# Altium PCB KlusterLab r2.0.PcbDoc (part 18 of 22) (continued)
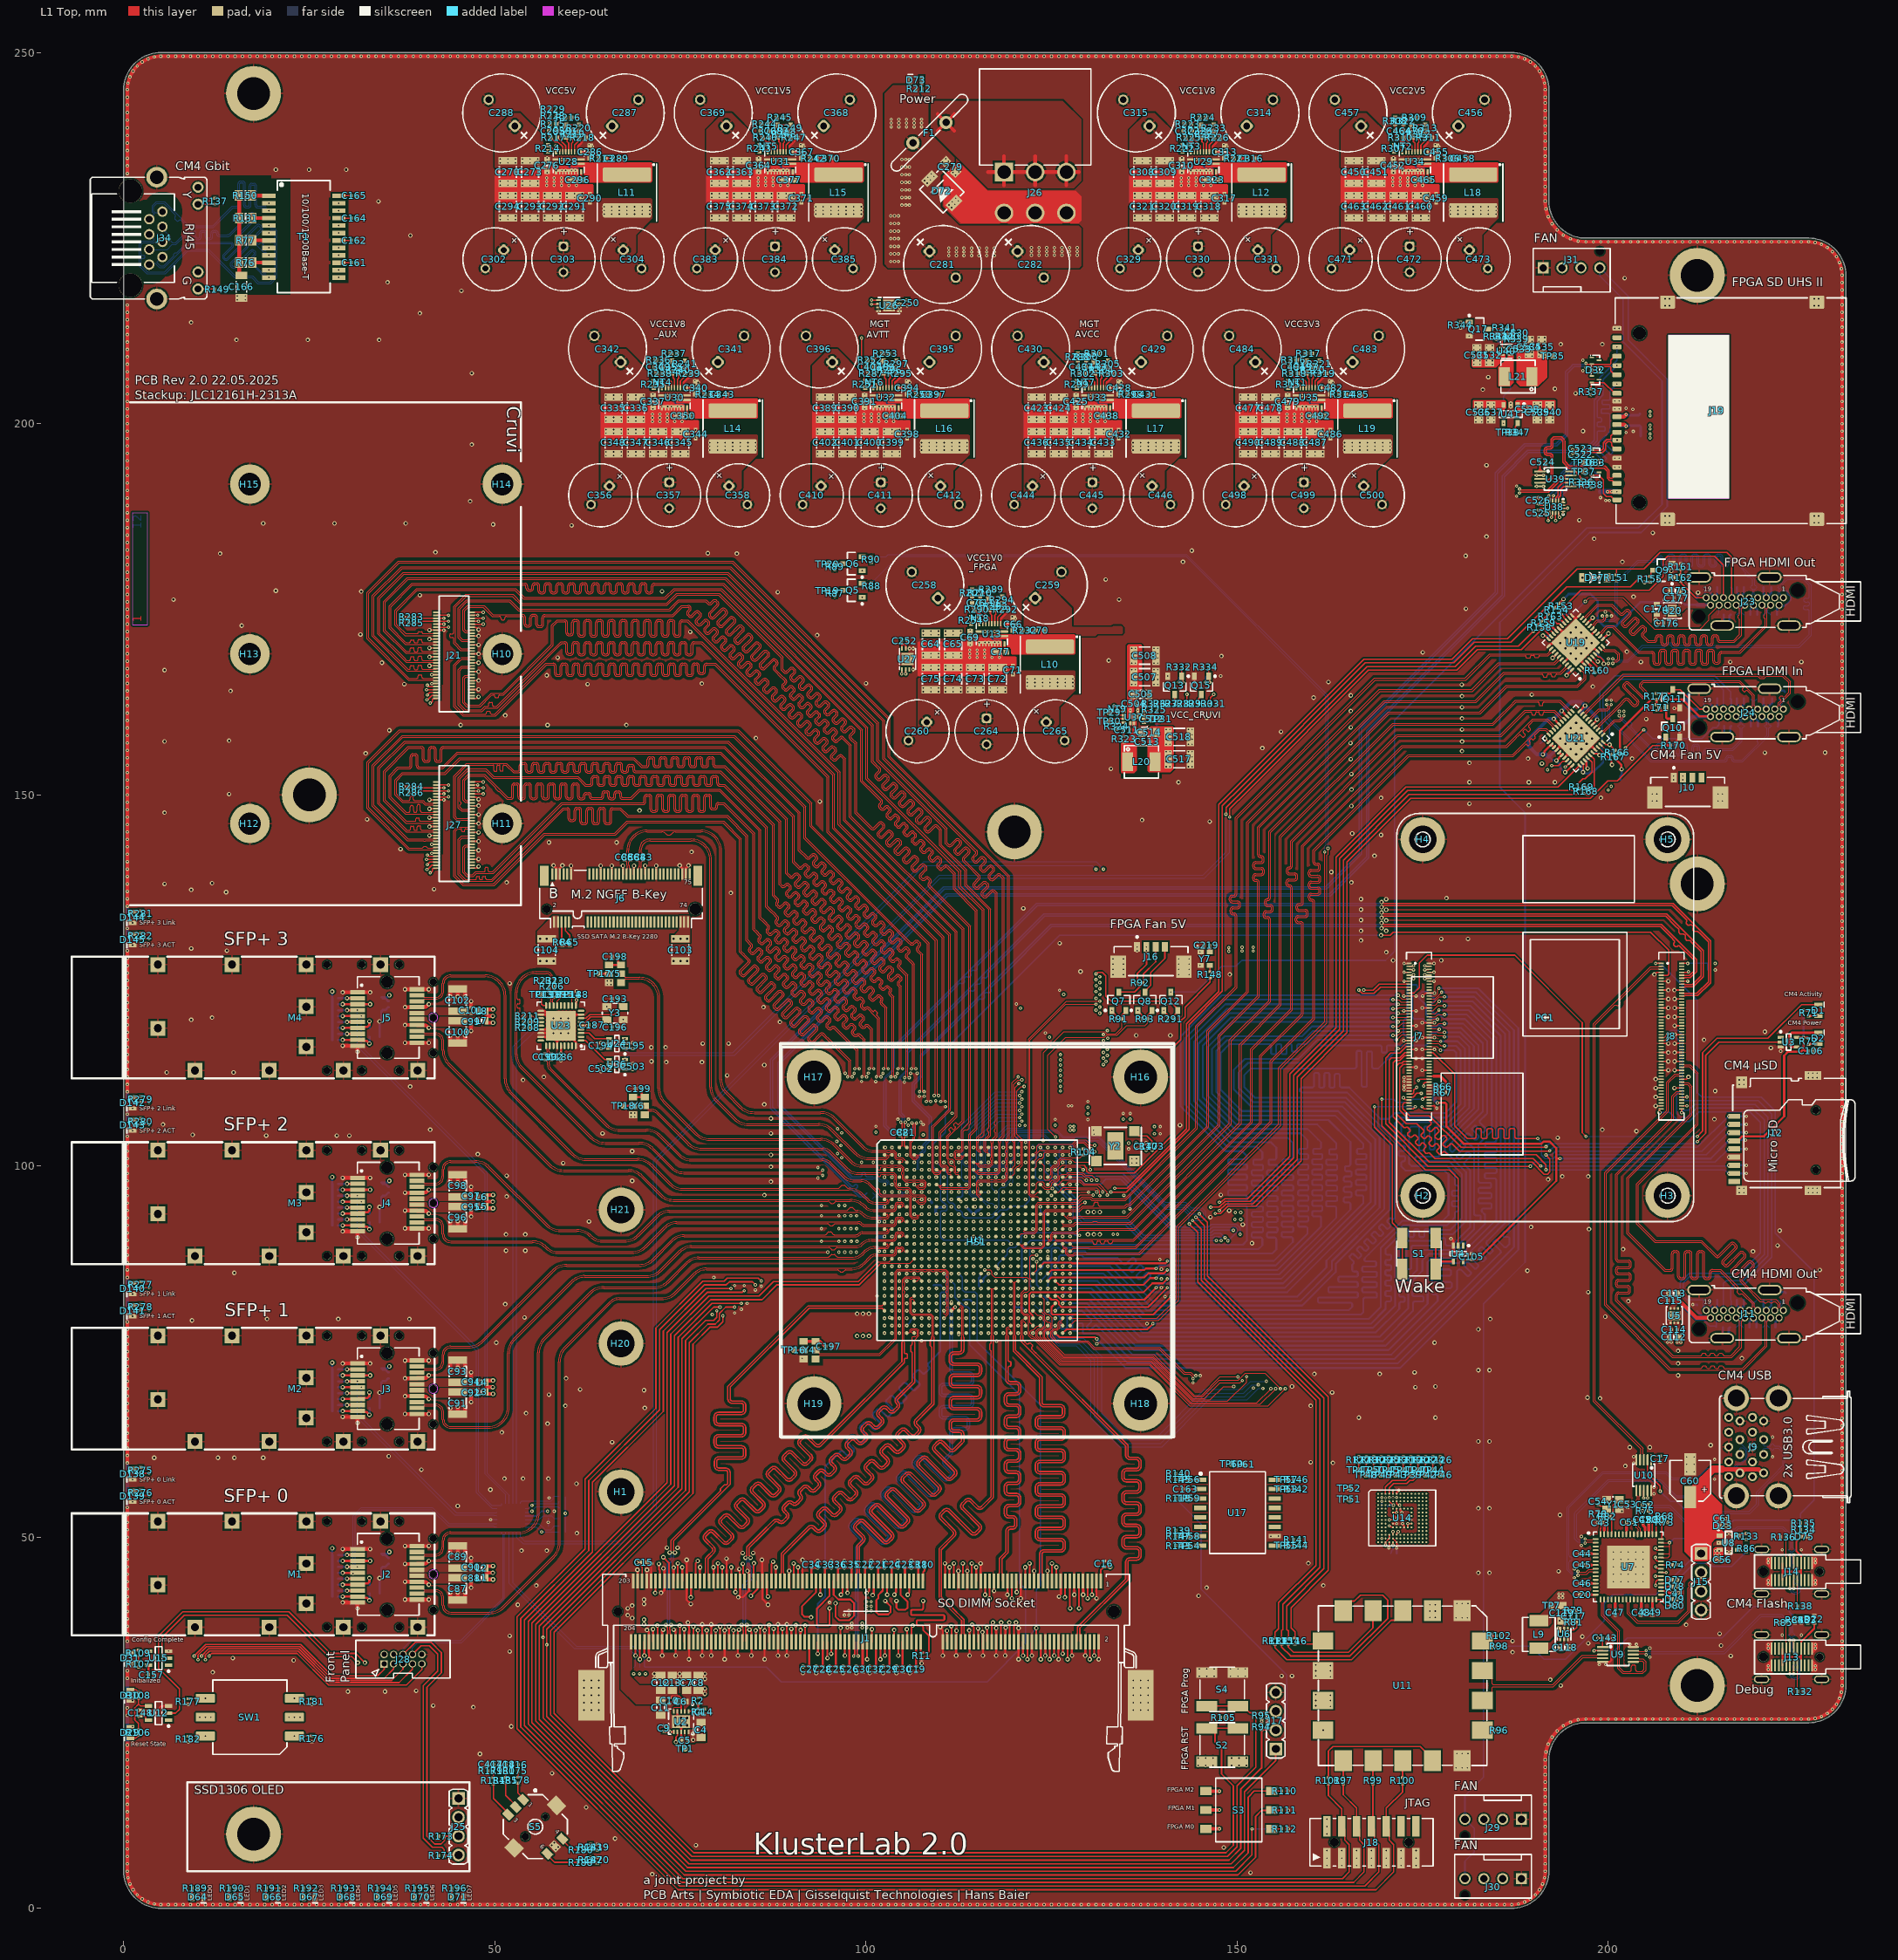
[diagram p0: L1 Top view]
## Nets (pads, with @x,y where several pads share a name; then routed paths per layer and width w, separated by ;. In a path a pad name is that pad's centre, name@x,y a point inside that pad or via, vN(x,y) a via of type N, cw(c..) or ccw(c..) an arc to the next point about the centre after c; other vN are vias at no path point) (continued)
PCIe_REFCLK_N: J8.112 U1.D5 | length 135.9
  L1 Top w0.166: v2(169.446,132.743) 169.556,132.743 169.76,132.54 207.16,132.54 209.979,129.721 211.4,128.3 211.893,127.807 211.893,126.193 211.054,125.354 210.336,125.354 210.299,125.317 209.897,125.317 J8.112@209.88,125.3
  L12 Bottom w0.1: v1(106.5,99.5) 106.567,99.567 106.841,99.567 106.9,99.626 106.9,100.8 106.853,100.847
  L12 Bottom w0.166: 106.853,100.847 106.853,101.247 107.707,102.1 107.707,102.907 108.5,103.7 108.5,106.486 107.993,106.993 106.214,108.771 106.214,111.114 107.307,112.207 107.307,114.921 124.925,132.54 169.131,132.54 169.335,132.743 v2(169.446,132.743)
PCIe_REFCLK_P: J8.110 U1.D6 | length 135.7
  L1 Top w0.166: v2(169.446,132.043) 169.556,132.043 169.76,132.247 207.039,132.247 208.448,130.837 208.942,130.343 208.942,130.125 208.81,129.993 208.81,129.776 209.028,129.558 209.246,129.558 209.378,129.69 209.596,129.69 211.243,128.043 211.6,127.686 211.6,126.314 210.932,125.647 210.336,125.647 210.299,125.683 209.897,125.683 J8.110@209.88,125.7
  L12 Bottom w0.1: 107.146,100.847 107.1,100.8 107.1,99.626 107.159,99.567 107.433,99.567 v1(107.5,99.5)
  L12 Bottom w0.166: 107.146,100.847 107.146,101.125 108,101.979 108,102.786 108.793,103.579 108.793,106.607 108.396,107.004 106.507,108.893 106.507,110.993 107.6,112.086 107.6,114.8 114.8,122 115.294,122.494 115.512,122.494 115.549,122.457 115.767,122.457 115.984,122.675 115.984,122.893 115.929,122.949 115.929,123.167 116.146,123.385 116.364,123.385 116.401,123.348 116.619,123.348 116.837,123.565 116.837,123.783 116.819,123.801 116.819,124.019 118.15,125.35 125.047,132.247 169.131,132.247 169.335,132.043 v2(169.446,132.043)
PCIe_RX0_N: J8.124 U1.B5 | length 153.7
  L1 Top w0.1: U1.B5@106.5,101.5 106.841,101.5 106.9,101.441 106.9,101.334 106.666,101.1 106.4,101.1 106.1,101.4 106.1,103.2 106.6,103.7 106.6,104 106.646,104.047
  L1 Top w0.166: 106.646,104.047 v1@106.646,105.8 ; v2(169.446,135.571) 169.556,135.571 169.76,135.368 208.732,135.368 213.793,130.307 213.793,124.693 212.051,122.951 210.314,122.951 210.28,122.917 209.897,122.917 J8.124@209.88,122.9
  L12 Bottom w0.1: 102.4,111.3 102.444,111.344 102.444,111.904 103.551,113.011 103.551,113.156 103.507,113.2
  L12 Bottom w0.166: 102.4,111.3 102.4,105.386 102.993,104.793 103.379,104.407 105.821,104.407 106.238,104.824 106.265,104.824 106.646,105.205 106.646,105.57 106.8,105.723 v1(106.8,105.8) ; 103.507,113.2 103.507,115.921 122.954,135.368 169.131,135.368 169.335,135.571 v2(169.446,135.571)
PCIe_RX0_P: J8.122 U1.B6 | length 153.7
  L1 Top w0.1: 106.354,104.047 106.4,104 106.4,103.783 105.9,103.283 105.9,101.317 106.317,100.9 106.749,100.9 107.1,101.251 107.1,101.441 107.159,101.5 U1.B6@107.5,101.5
  L1 Top w0.166: 106.354,104.047 v1@106.354,105.8 ; v2(169.446,134.871) 169.556,134.871 169.76,135.075 208.611,135.075 210.043,133.643 210.537,133.149 210.537,132.931 210.499,132.893 210.499,132.675 210.717,132.457 210.935,132.457 210.992,132.514 211.21,132.514 211.427,132.296 211.427,132.079 211.37,132.022 211.37,131.804 211.588,131.586 211.806,131.586 211.844,131.624 212.062,131.624 212.393,131.293 213.5,130.186 213.5,124.814 211.93,123.244 210.338,123.244 210.299,123.283 209.897,123.283 J8.122@209.88,123.3
  L12 Bottom w0.1: 102.693,111.3 102.644,111.349 102.644,111.822 103.751,112.929 103.751,113.151 103.8,113.2
  L12 Bottom w0.166: 102.693,111.3 102.693,105.507 103.396,104.804 103.5,104.7 105.7,104.7 106.117,105.117 106.144,105.117 106.353,105.326 106.353,105.57 106.2,105.723 v1(106.2,105.8) ; 103.8,113.2 103.8,115.8 112.1,124.1 112.594,124.594 112.812,124.594 112.82,124.586 113.038,124.586 113.256,124.804 113.256,125.022 113.229,125.049 113.229,125.267 113.446,125.485 113.664,125.485 113.691,125.457 113.909,125.457 114.127,125.675 114.127,125.893 114.1,125.92 114.1,126.138 114.317,126.356 114.535,126.356 114.563,126.328 114.78,126.328 114.998,126.546 114.998,126.764 114.99,126.772 114.99,126.99 115.5,127.5 123.075,135.075 169.131,135.075 169.335,134.871 v2(169.446,134.871)
PCIe_TX0_N: C82.2 J8.118 | length 135.5
  L1 Top w0.166: C82.2@104.6,104.9 104.65,104.9 104.854,105.104 104.854,105.455 v1@104.854,105.8 ; v2(169.446,134.157) 169.556,134.157 169.76,133.954 207.861,133.954 212.793,129.021 212.793,125.504 211.443,124.154 210.336,124.154 210.299,124.117 209.897,124.117 J8.118@209.88,124.1
  L12 Bottom w0.1: 104.453,111.654 104.5,111.7 104.5,112 105.454,112.954 105.454,113.2 105.407,113.247 105.407,113.4
  L12 Bottom w0.166: 104.453,111.654 104.453,111.302 104.452,111.3 104.452,107.034 104.853,106.632 104.853,106.13 104.7,105.977 v1(104.7,105.9) ; 105.407,113.4 105.407,115.421 123.939,133.954 169.131,133.954 169.335,134.157 v2(169.446,134.157)
PCIe_TX0_P: C81.2 J8.116 | length 135.5
  L1 Top w0.166: v1@105.147,105.8 105.147,105.334 105.147,105.099 105.35,104.895 C81.2@105.4,104.895 ; v2(169.446,133.457) 169.556,133.457 169.76,133.661 207.739,133.661 209,132.4 209.494,131.906 209.494,131.688 209.491,131.685 209.491,131.467 209.709,131.249 209.927,131.249 209.949,131.271 210.167,131.271 210.385,131.054 210.385,130.836 210.363,130.814 210.363,130.596 210.58,130.378 210.798,130.378 210.801,130.381 211.019,130.381 211.3,130.1 212.5,128.9 212.5,125.625 211.321,124.447 210.336,124.447 210.299,124.483 209.897,124.483 J8.116@209.88,124.5
  L12 Bottom w0.1: 104.746,111.654 104.7,111.7 104.7,111.917 105.654,112.871 105.654,113.2 105.7,113.247 105.7,113.4
  L12 Bottom w0.166: 104.746,111.654 104.746,111.377 104.745,111.375 104.745,107.155 105.146,106.754 105.146,106.13 105.3,105.977 v1(105.3,105.9) ; 105.7,113.4 105.7,115.3 113.5,123.1 113.994,123.594 114.212,123.594 114.229,123.578 114.446,123.578 114.664,123.795 114.664,124.013 114.629,124.049 114.629,124.267 114.846,124.485 115.064,124.485 115.066,124.483 115.283,124.483 115.501,124.701 115.501,124.919 115.5,124.92 115.5,125.138 115.717,125.356 115.935,125.356 115.954,125.337 116.172,125.337 116.39,125.554 116.39,125.772 116.39,125.99 116.75,126.35 124.061,133.661 169.131,133.661 169.335,133.457 v2(169.446,133.457)
Pi_Activity: D1.1 J7.21 | length 91.5
  L1 Top w0.2: J7.21@173.15,123.3 173.809,123.3 174.549,124.04 174.549,127.349 175.6,128.4 187.4,128.4 196.5,119.3 196.5,104.5 v1(197,104) ; v1(212,104) 212.7,104.7 212.7,115.25 214.65,117.2 221.5,117.2 226.05,121.75 D1.1@228.3,121.75
  L12 Bottom w0.114: v1(197,104) v1(212,104)
PI_E\X\T\R\S\T\: J7.100 U1.U16 | length 71
  L1 Top w0.15: U1.U16@117.5,86.5 117.5,86.475 117.8,86.175 v1(117.8,86.15) ; v1(174.9,108) 175.2,107.7 J7.100@175.88,107.7
  L10 Inner9 (Sig) w0.15: v1(128.75,90.65) 129.4,90 135.4,90 150.65,105.25 174.15,105.25 174.9,106 v1(174.9,108)
  L12 Bottom w0.15: v1(117.8,86.15) 117.8,86.819 119.028,88.047 119.028,88.728 119.3,89 120.098,89 120.9,89.802 120.9,90.6 121.3,91 127.859,91 128.209,90.65 v1(128.75,90.65)
Power_LED: J7.95 U3.2 | length 66.6
  L1 Top w0.15: J7.95@173.15,108.5 172.5,108.5 172.3,108.3 172.3,107.7 173.25,106.75 175.925,106.75 180.175,102.5 191.419,102.5 191.519,102.6 v1(191.6,102.6)
  L1 Top w0.2: v1(212,103.3) 213.134,104.434 213.134,114.934 214.9,116.7 U3.2@223.225,116.7
  L12 Bottom w0.15: v1(191.6,102.6) 192,103 211.7,103 v1(212,103.3)
PSU_CTRL.1V0_FPGA_EN: NT8.1 U13.8 | length 0.6
  L1 Top w0.2: NT8.1@115.566,173.589 115.75,173.405 U13.8@115.75,173.05 U13.8@115.75,173.025
PSU_CTRL.1V0_FPGA_PG: NT4.2 R254.2 U13.9 | length 69.9
  L1 Top w0.2: v1(114.15,173.925) 114.15,173.9 114.325,173.725 114.544,173.725 114.987,173.282 115.2,173.282 115.25,173.232 U13.9@115.25,173.05
  L10 Inner9 (Sig) w0.2: v1(72.35,205.706) 72.35,208.75 73.85,210.25 75.1,210.25 76.35,209 76.35,207.9 90,194.25 106.05,194.25 108.405,191.895 108.405,189.52 113.799,184.127 113.799,174.276 v1(114.15,173.925)
PSU_CTRL.1V0_MGTAVCC_EN: NT7.1 U33.8 | length 0.6
  L1 Top w0.2: NT7.1@129.816,205.389 130,205.205 U33.8@130,204.85 U33.8@130,204.825
PSU_CTRL.1V0_MGTAVCC_PG: NT6.2 R299.2 U33.9 | length 34.6
  L1 Top w0.2: v1(128.4,205.725) 128.4,205.7 128.575,205.525 128.794,205.525 129.237,205.082 129.45,205.082 129.5,205.032 U33.9@129.5,204.85
  L10 Inner9 (Sig) w0.2: v1(100.85,205.706) 100.85,206.45 101.592,207.192 101.592,209.492 102.3,210.2 108.955,210.2 113.019,206.136 127.989,206.136 v1(128.4,205.725)
PSU_CTRL.1V2_MGTAVTT_EN: NT6.1 U32.8 | length 0.6
  L1 Top w0.2: NT6.1@101.315,205.39 101.5,205.205 U32.8@101.5,204.85 U32.8@101.5,204.825
PSU_CTRL.1V2_MGTAVTT_PG: NT1.2 NT2.2 NT3.2 NT5.2 NT9.2 R251.2 U32.9 | length 274.2
  L1 Top w0.2: v1(99.4,211.55) 99.4,207.383 99.75,207.033 99.75,205.875 R251.2@99.9,205.725 99.9,205.7 100.075,205.525 100.294,205.525 100.737,205.082 100.95,205.082 101,205.032 U32.9@101,204.85 ; v1(133.433,162) 133.514,161.918 133.532,161.918 NT9.2@133.723,161.727
  L10 Inner9 (Sig) w0.2: v1(86.6,237.506) 86.6,240.3 88.3,242 102.3,242 ; v1(99.4,211.55) 99.4,217.5 102.45,220.55 ; v1(133.433,162) 133.433,176.983 144.15,187.7 144.15,205.55 134.15,215.55 109.85,215.55 104.85,220.55 102.7,220.55 ; v1(143.6,237.506) 143.6,241.85 ; v1(157.85,205.706) 157.85,213.6 149.15,222.3 149.15,229.4 149.65,229.9 149.65,241.85 ; v1(172.1,237.506) 167.606,242 149.8,242 ; 102.3,242 102.6,242 ; 102.3,242 102.45,241.85 ; 102.45,220.55 102.7,220.55 ; 102.45,220.55 102.45,220.8 ; 102.45,220.8 102.45,241.85 ; 102.45,220.8 102.7,220.55 ; 102.45,241.85 102.6,242 ; 102.6,242 106.45,242 108.8,244.35 128.5,244.35 130.85,242 143.45,242 ; 143.45,242 143.6,241.85 ; 143.45,242 143.75,242 ; 143.6,241.85 143.75,242 ; 143.75,242 149.5,242 ; 149.5,242 149.65,241.85 ; 149.5,242 149.8,242 ; 149.65,241.85 149.8,242
PSU_CTRL.1V5_EN: NT5.1 U31.8 | length 0.6
  L1 Top w0.2: U31.8@87.25,236.625 87.25,237.019
  L1 Top w0.215: NT5.1@87.075,237.194 87.25,237.019
PSU_CTRL.1V5_PG: R243.2 U31.9 | length 1.6
  L1 Top w0.2: R243.2@85.65,237.525 85.65,237.5 85.825,237.325 86.044,237.325 86.487,236.882 86.7,236.882 86.75,236.832 U31.9@86.75,236.65
PSU_CTRL.1V8_EN: NT3.1 U29.8 | length 0.6
  L1 Top w0.2: NT3.1@144.066,237.189 144.25,237.005 U29.8@144.25,236.65
PSU_CTRL.1V8_PG: R222.2 U29.9 | length 1.6
  L1 Top w0.2: R222.2@142.65,237.525 142.65,237.5 142.825,237.325 143.044,237.325 143.487,236.882 143.7,236.882 143.75,236.832 U29.9@143.75,236.65
PSU_CTRL.1V8AUX_EN: NT4.1 U30.8 | length 0.6
  L1 Top w0.2: NT4.1@72.816,205.389 73,205.205 U30.8@73,204.85 U30.8@73,204.825
PSU_CTRL.1V8AUX_PG: NT7.2 R235.2 U30.9 | length 70.7
  L1 Top w0.2: v1(71.4,205.725) 71.4,205.7 71.575,205.525 71.794,205.525 72.237,205.082 72.45,205.082 72.5,205.032 U30.9@72.5,204.85
  L10 Inner9 (Sig) w0.2: v1(71.4,205.725) 71.4,208.7 73.5,210.8 75.4,210.8 76.918,209.282 76.918,208.231 78.4,206.75 100.455,206.75 101.1,207.395 101.1,209.695 102.096,210.692 109.158,210.692 113.2,206.65 128.406,206.65 v1(129.35,205.706)
PSU_CTRL.2V5_EN: NT2.1 U34.8 | length 1
  L1 Top w0.2: NT2.1@172.566,237.189 172.75,237.005 U34.8@172.75,236.65 U34.8@172.75,236.985
PSU_CTRL.2V5_PG: R307.2 U34.9 | length 1.6
  L1 Top w0.2: R307.2@171.15,237.525 171.15,237.5 171.325,237.325 171.544,237.325 171.987,236.882 172.2,236.882 172.25,236.832 U34.9@172.25,236.65
PSU_CTRL.3V3_EN: NT1.1 U35.8 | length 0.6
  L1 Top w0.2: NT1.1@158.316,205.389 158.5,205.205 U35.8@158.5,204.85 U35.8@158.5,204.825
PSU_CTRL.3V3_PG: R315.2 U35.9 | length 1.6
  L1 Top w0.2: R315.2@156.9,205.725 156.9,205.7 157.075,205.525 157.294,205.525 157.737,205.082 157.95,205.082 158,205.032 U35.9@158,204.85
PSU_CTRL.5V0_EN: R228.1 R229.2 U28.8 | length 6
  L1 Top w0.15: v1(58.245,241.45) R229.2@58.245,242.35
  L1 Top w0.2: v1(58.25,237.45) 58.285,237.45 58.75,236.985 U28.8@58.75,236.65
  L10 Inner9 (Sig) w0.2: v1@58.245,241.382 v1(58.245,241.45) ; v1(58.25,237.45) v1@58.25,241.45
PSU_CTRL.5V0_PG: NT8.2 R214.2 U28.9 | length 124.7
  L1 Top w0.2: v1(57.15,237.525) 57.15,237.5 57.325,237.325 57.544,237.325 57.987,236.882 58.2,236.882 58.25,236.832 U28.9@58.25,236.65
  L10 Inner9 (Sig) w0.2: v1(57.15,237.525) 51.125,237.525 49.35,235.75 49.35,227.3 62.05,214.6 62.05,208.7 63.4,207.35 63.4,194.9 64.55,193.75 105.6,193.75 107.8,191.55 107.8,189.25 113.2,183.85 113.2,173.9 113.6,173.5 114.694,173.5 v1(115.1,173.906)
PSU_CTRL.VCC_CRUVI_EN: NT9.1 U37.3 | length 0.7
  L1 Top w0.2: NT9.1@134.077,161.373 134.2,161.25 U37.3@134.75,161.25
PSU_CTRL.VCC_CRUVI_PG: R324.2 U37.6 | length 1
  L1 Top w0.2: R324.2@133.8,159.645 133.874,159.719 134.28,159.719 134.281,159.72 134.72,159.72 U37.6@134.75,159.75
REC_CLOCK_C_N: C191.2 R206.2 R231.2 U1.P21 | length 99.8
  L1 Top w0.114: R206.2@57.295,124.25 R206.2@57.305,124.25 ; R231.2@57.295,124.95 57.295,125 57.58,125.285 57.58,125.3 ccw(c56.94,125.3) 56.94,125.94 55.54,125.94 ccw(c55.54,123.4) 53,123.4 53,122.875 53,122.566 ccw(c53.141,122.566) 53.141,122.425 53.279,122.425 cw(c53.279,122.284) 53.42,122.284 53.42,122.002 cw(c53.279,122.002) 53.279,121.861 53.114,121.861 ccw(c53.114,121.72) 52.973,121.72 52.973,121.438 ccw(c53.114,121.438) 53.114,121.297 53.279,121.297 cw(c53.279,121.156) 53.42,121.156 53.42,120.875 cw(c53.279,120.875) 53.279,120.734 53.141,120.734 ccw(c53.141,120.593) 53,120.593 53,119.972 53,115.052 ccw(c55.54,115.052) 53.744,113.256 63.049,103.951 ccw(c64.863,105.765) 64.863,103.2 69.397,103.2 cw(c69.397,100.394) 71.381,102.378 73.929,99.83 ccw(c75.45,101.351) 75.449,99.2 93.917,99.2 v1(94.171,99.454) ; C191.2@57.3,123.495 57.35,123.495 57.58,123.725 57.58,123.902 57.464,124.017 57.438,124.017 57.305,124.15 R206.2@57.305,124.2 R206.2@57.305,124.25 ; R231.2@57.3,124.905 57.433,124.772 57.459,124.772 57.575,124.657 57.575,124.48 57.345,124.25 R206.2@57.305,124.25
  L3 Inner2 (Sig) w0.1: v1(94.171,99.454) 94.219,99.454 94.404,99.269 94.831,99.269 96.23,97.87 96.23,96.837 101.767,91.3 103.735,91.3 103.8,91.235 104.132,91.235 104.268,91.1 119.983,91.1 120.441,90.641 120.533,90.641 122.01,89.165 122.165,89.165 v1(122.5,89.5)
REC_CLOCK_C_P: C189.2 R206.1 R230.2 U1.R21 | length 99.7
  L1 Top w0.114: R230.2@58.09,124.905 57.957,124.772 57.933,124.772 57.815,124.655 57.815,124.48 58.045,124.25 58.095,124.25 R206.1@58.095,124.2 58.095,124.15 57.962,124.017 57.938,124.017 57.82,123.9 57.82,123.725 58.05,123.495 C189.2@58.1,123.495 ; R230.2@58.105,124.95 58.105,125 57.82,125.285 57.82,125.3 ccw(c56.94,125.3) 56.94,126.181 55.54,126.181 ccw(c55.54,123.4) 52.759,123.4 52.759,115.052 ccw(c55.54,115.052) 53.574,113.086 62.878,103.781 ccw(c64.863,105.765) 64.863,102.959 69.397,102.959 cw(c69.397,100.394) 71.211,102.208 73.759,99.66 ccw(c75.45,101.351) 75.449,98.959 93.965,98.959 v1(94.171,98.754)
  L3 Inner2 (Sig) w0.1: v1(94.171,98.754) 94.219,98.754 94.404,98.939 94.695,98.939 95.9,97.733 95.9,96.7 101.63,90.97 103.735,90.97 103.759,90.994 104.091,90.994 104.185,90.9 119.9,90.9 120.3,90.5 120.3,90.408 121.873,88.835 122.165,88.835 v1(122.5,88.5)
REC_CLOCK_N: C191.1 U23.17 | length 1.3
  L1 Top w0.114: C191.1@57.3,122.705 57.433,122.572 57.513,122.572 57.58,122.505 57.58,122.333 57.53,122.283 57.53,122.07 57.4,121.94 U23.17@57.4,121.61
REC_CLOCK_P: C189.1 U23.16 | length 1.3
  L1 Top w0.114: U23.16@57.9,121.61 57.9,121.94 57.77,122.07 57.77,122.183 57.82,122.233 57.82,122.505 57.887,122.572 57.967,122.572 C189.1@58.1,122.705
RUN_PG: J7.92 U4.2 | length 32.7
  L1 Top w0.15: v1(169.5,109) 169.5,105.385 175.385,99.5 178.6,99.5 179.8,98.3 U4.2@179.8,89.275 ; v1(175,109) 175.3,109.3 J7.92@175.88,109.3
  L12 Bottom w0.15: v1(169.5,109) 171.1,109 171.5,108.6 173.2,108.6 173.6,109 v1(175,109)
SATA_RX_C_N: C86.1 U1.C3 | length 77.4
  L1 Top w0.1: 101.58,101.88 101.6,101.9 102.8,101.9 102.9,101.8 103.2,101.8 103.3,101.9 103.666,101.9 103.9,101.666 103.9,101.4 103.9,101.076 104.076,100.9 104.8,100.9 105,100.7 105,100.559 104.941,100.5 U1.C3@104.5,100.5
  L1 Top w0.114: C86.1@68.3,141.995 68.167,142.128 68.087,142.128 68.02,142.195 68.02,142.52 cw(c70.5,142.52) 70.5,145 72.517,145 cw(c72.517,144.391) 72.948,144.822 73.067,144.719 ccw(c73.361,145.013) 73.362,144.598 73.48,144.598 ccw(c73.481,145.013) 73.775,144.719 73.894,144.822 cw(c74.325,144.391) 74.325,145 77.76,145 cw(c77.76,142.46) 80.3,142.46 80.3,111.711 ccw(c83.081,111.711) 81.114,109.745 82.971,107.888 ccw(c84.938,109.854) 84.938,107.074 93.874,107.074 cw(c93.874,104.534) 95.67,106.33 99.542,102.458 ccw(c100.938,103.854) 100.938,101.88 101.58,101.88
SATA_RX_C_P: C85.1 U1.C4 | length 77.5
  L1 Top w0.1: 101.58,102.12 101.6,102.1 103.749,102.1 104.1,101.749 104.1,101.317 104.1,101.159 104.159,101.1 104.679,101.1 104.9,101.1 U1.C4@105.5,100.5
  L1 Top w0.114: C85.1@67.5,141.995 67.633,142.128 67.713,142.128 67.78,142.195 67.78,142.52 cw(c70.5,142.52) 70.5,145.241 77.76,145.241 cw(c77.76,142.46) 80.541,142.46 80.541,111.711 ccw(c83.081,111.711) 81.285,109.915 83.142,108.058 ccw(c84.938,109.854) 84.938,107.314 93.874,107.314 cw(c93.874,104.534) 95.841,106.5 99.642,102.699 ccw(c101.038,104.094) 101.038,102.12 101.58,102.12
SATA_RX_N: C86.2 J6.43 | length 2.1
  L1 Top w0.114: C86.2@68.195,141.1 cw(c68.127,141.168) 68.127,141.072 ccw(c68.127,140.976) 68.059,141.044 ccw(c68.152,140.951) 68.02,140.951 68.02,140.613 ccw(c68.191,140.613) 68.07,140.492 cw(c67.95,140.371) 68.12,140.371 68.12,140.171 ccw(c68.342,140.171) 68.185,140.015 cw(c68.029,139.858) 68.25,139.858 J6.43@68.25,139.325 ; C86.2@68.195,141.1 C86.2@68.3,141.205
SATA_RX_P: C85.2 J6.41 | length 2.1
  L1 Top w0.114: C85.2@67.5,141.205 C85.2@67.605,141.1 ; C85.2@67.605,141.1 ccw(c67.673,141.168) 67.673,141.072 cw(c67.673,140.976) 67.741,141.044 cw(c67.648,140.951) 67.78,140.951 67.78,140.513 ccw(c67.95,140.513) 67.83,140.392 cw(c67.709,140.272) 67.88,140.272 67.88,140.171 cw(c67.658,140.171) 67.815,140.015 ccw(c67.971,139.858) 67.75,139.858 J6.41@67.75,139.325
SATA_TX_C_N: C84.1 U1.B1 | length 72
  L1 Top w0.1: 101.524,101.131 101.555,101.1 102.666,101.1 102.9,101.334 102.9,101.441 102.841,101.5 U1.B1@102.5,101.5
  L1 Top w0.114: C84.1@69.2,141.995 69.305,142.1 cw(c69.373,142.032) 69.373,142.128 ccw(c69.373,142.224) 69.441,142.156 ccw(c69.348,142.249) 69.48,142.249 69.48,142.674 cw(c70.846,142.674) 70.846,144.041 76.419,144.041 cw(c76.419,141.26) 79.2,141.26 79.2,110.652 ccw(c81.74,110.652) 79.944,108.856 82.344,106.456 ccw(c84.14,108.252) 84.14,105.712 93.577,105.712 cw(c93.577,102.931) 95.543,104.898 98.566,101.875 ccw(c100.362,103.671) 100.362,101.131 101.524,101.131
SATA_TX_C_P: C83.1 U1.B2 | length 71.9
  L1 Top w0.1: 101.479,100.89 101.489,100.9 102.749,100.9 103.1,101.251 103.1,101.441 103.159,101.5 U1.B2@103.5,101.5
  L1 Top w0.114: C83.1@70,141.995 69.895,142.1 ccw(c69.827,142.032) 69.827,142.128 cw(c69.827,142.224) 69.759,142.156 cw(c69.852,142.249) 69.72,142.249 69.72,142.574 cw(c70.946,142.574) 70.946,143.8 76.419,143.8 cw(c76.419,141.26) 78.959,141.26 78.959,110.652 ccw(c81.74,110.652) 79.774,108.686 82.174,106.286 ccw(c84.14,108.252) 84.14,105.471 93.577,105.471 cw(c93.577,102.931) 95.373,104.727 98.42,101.68 ccw(c100.328,103.588) 100.328,100.89 101.479,100.89 101.5,100.89
SATA_TX_N: C84.2 J6.47 | length 2.1
  L1 Top w0.114: C84.2@69.2,141.205 C84.2@69.305,141.1 ; J6.47@69.25,139.325 69.25,139.858 cw(c69.471,139.858) 69.315,140.015 ccw(c69.158,140.171) 69.38,140.171 69.38,140.233 cw(c69.55,140.233) 69.43,140.354 ccw(c69.309,140.474) 69.48,140.474 69.48,140.951 ccw(c69.348,140.951) 69.441,141.044 ccw(c69.373,140.976) 69.373,141.072 cw(c69.373,141.168) C84.2@69.305,141.1
SATA_TX_P: C83.2 J6.49 | length 2.1
  L1 Top w0.114: J6.49@69.75,139.325 69.75,139.829 ccw(c69.458,139.829) 69.664,140.036 cw(c69.771,140.142) 69.62,140.142 cw(c69.771,140.142) 69.664,140.248 69.67,140.254 ccw(c69.55,140.375) 69.72,140.375 69.72,140.951 cw(c69.852,140.951) 69.759,141.044 cw(c69.827,140.976) 69.827,141.072 ccw(c69.827,141.168) 69.895,141.1 C83.2@70,141.205
SCL_0: J7.80 TP2.1 | length 1.5
  L1 Top w0.15: v1@174.478,111.51 174.668,111.7 J7.80@175.88,111.7
  other v1: 174.423,111.51
SDA_0: J7.82 TP3.1 | length 1.1
  L1 Top w0.15: v1(175.128,110.78) 175.152,110.803 175.152,111.093 175.358,111.3 J7.82@175.88,111.3
SDCARD.CD: D32.5 J19.8 R337.2 U1.AC22 | length 205.1
  L1 Top w0.1: U1.AC22@123.5,80.5 124.1,79.9 124.1,79.302 124.408,78.994 124.684,78.994 124.9,78.778 124.9,78.334 124.666,78.1 124.25,78.1 123.9,77.75 123.9,77.334 123.9,76.831 126.526,74.205 138.583,74.205 144.083,68.705 145.605,68.705 147.725,70.825 150.428,70.825 v1(150.693,71.089)
  L1 Top w0.15: v1(197.7,204.695) 197.7,205.518 197.725,205.543 D32.5@197.806,205.543 199.419,205.543 200.872,204.09 J19.8@201.174,204.09
  L10 Inner9 (Sig) w0.2: v1(150.693,71.089) 150.693,72.34 161.008,82.655 179.658,82.655 183.876,86.874 183.876,180.411 188.85,185.385 188.85,188.346 189.85,189.346 189.85,194.898 196.8,201.848 196.8,203.795 v1(197.7,204.695)
SDCARD.CLK: U1.AE22 U38.5 | length 188.5
  L1 Top w0.1: U1.AE22@123.5,78.5 123.45,78.45 123.1,78.45 122.55,77.9 122.309,77.9 122.113,77.704 122.113,77.679 122.1,77.666 122.1,77.334 122.409,77.025 122.575,77.025 126.195,73.405 138.252,73.405 143.752,67.905 153.103,67.905 v1(155.2,70.002)
  L1 Top w0.15: v1(193.9,187.8) U38.5@193.9,188.2
  L10 Inner9 (Sig) w0.2: v1(155.2,70.002) 155.2,71.864 162.486,79.15 181.193,79.15 187.377,85.334 187.377,174.669 188.288,175.581 188.854,176.146 cw(c189.101,175.899) 189.349,176.146 189.371,176.124 ccw(c189.619,176.371) 189.866,176.124 ccw(c189.619,176.371) 189.866,176.619 189.674,176.81 cw(c189.922,177.058) 189.674,177.305 cw(c189.922,177.058) 190.169,177.305 190.326,177.148 ccw(c190.574,177.396) 190.821,177.148 ccw(c190.574,177.396) 190.821,177.643 190.664,177.8 cw(c190.912,178.048) 190.664,178.295 cw(c190.912,178.048) 191.159,178.295 191.329,178.126 ccw(c191.576,178.374) 191.824,178.126 ccw(c191.576,178.374) 191.824,178.621 cw(c192.071,178.869) 191.824,179.116 192.629,179.921 193.9,181.192 v1(193.9,187.8)
SDCARD.CLK_FB: U1.AA22 U38.6 | length 192.5
  L1 Top w0.1: U1.AA22@123.5,82.5 124,82 124,80.325 124.325,80 124.625,80 125.1,79.525 125.1,78.251 124.749,77.9 124.334,77.9 124.1,77.666 124.1,76.914 126.609,74.405 138.666,74.405 144.166,68.905 145.35,68.905 147.595,71.15 150.18,71.15 151.13,72.1 153.742,72.1 v1(155.85,69.992)
  L1 Top w0.15: U38.6@193.9,188.6 193.907,188.607 194.525,188.607 v1(194.532,188.613)
  L10 Inner9 (Sig) w0.2: v1(155.85,69.992) 155.85,71.636 162.864,78.65 181.4,78.65 187.894,85.144 187.894,173.182 192.648,177.935 192.718,178.006 ccw(c192.527,178.197) 192.718,178.388 192.516,178.59 cw(c192.707,178.781) 192.516,178.972 192.558,179.014 cw(c192.749,178.823) 192.94,179.014 193.524,178.43 ccw(c193.715,178.621) 193.906,178.43 193.949,178.473 ccw(c193.758,178.663) 193.949,178.854 cw(c194.14,179.045) 193.949,179.236 194.424,179.711 194.532,179.819 v1(194.532,188.613)
SDCARD.CMD: U1.AB22 U38.16 | length 192.2
  L1 Top w0.15: v1(191.5,187.8) U38.16@191.5,188.2
  L10 Inner9 (Sig) w0.2: v1(152.2,70.1) 152.2,72.4 161.45,81.65 180.157,81.65 184.877,86.369 184.877,179.874 184.964,179.961 185.6,180.598 cw(c185.827,180.372) 186.053,180.598 186.129,180.522 ccw(c186.355,180.748) 186.581,180.522 186.694,180.635 ccw(c186.468,180.861) 186.694,181.088 186.619,181.164 cw(c186.845,181.39) 186.619,181.616 186.951,181.949 191.25,186.247 191.25,187.55 v1(191.5,187.8)
  L12 Bottom w0.1: v1(123.5,81.5) 123.5,80.832 124.1,80.232 124.1,77.904 126.004,76 128.7,76 130.76,73.94 130.76,66.24 134.39,62.61 139.71,62.61 146.01,68.91 151.01,68.91 v1(152.2,70.1)
SDCARD.DAT0: U1.AD24 U38.3 | length 188.7
  L1 Top w0.15: v1(192.9,186.95) U38.3@192.9,188
  L10 Inner9 (Sig) w0.2: v1(153.925,71.004) 153.925,72.004 162.071,80.15 180.779,80.15 186.377,85.748 186.377,177.28 190.931,181.834 191.567,182.471 191.85,182.471 191.869,182.452 192.152,182.452 192.434,182.735 192.434,183.018 192.416,183.036 192.416,183.319 192.539,183.442 192.9,183.803 v1(192.9,186.95)
  L12 Bottom w0.1: v1(125.5,79.5) 125.113,79.113 125.113,77.708 126.046,76.775 129.325,76.775 131.75,74.35 131.75,66.65 134.8,63.6 139.3,63.6 145.6,69.9 150.7,69.9 151.804,71.004 v1(153.925,71.004)
SDCARD.DAT1: U1.AC21 U38.4 | length 192
  L1 Top w0.1: U1.AC21@122.5,80.5 123.1,79.9 123.666,79.9 123.9,79.666 123.9,79.187 124.1,78.987 124.1,78.525 123.675,78.1 123.2,78.1 122.9,77.8 122.9,77.334 122.9,76.983 126.278,73.605 138.335,73.605 143.835,68.105 152.655,68.105 v1(154.55,70)
  L1 Top w0.15: U38.4@193.3,188 193.325,187.975 193.325,187.606 193.45,187.481 v1(193.45,187.4)
  L10 Inner9 (Sig) w0.2: v1(154.55,70) 154.55,71.95 162.25,79.65 180.986,79.65 186.877,85.541 186.877,176.195 187.287,176.605 187.853,177.171 cw(c188.1,176.924) 188.347,177.171 188.378,177.141 ccw(c188.625,177.388) 188.873,177.141 ccw(c188.625,177.388) 188.873,177.636 188.557,177.951 cw(c188.805,178.198) 188.557,178.446 cw(c188.805,178.198) 189.052,178.446 189.367,178.131 ccw(c189.615,178.378) 189.862,178.131 ccw(c189.615,178.378) 189.862,178.626 189.547,178.941 cw(c189.795,179.188) 189.547,179.436 cw(c189.795,179.188) 190.042,179.436 190.264,179.215 ccw(c190.511,179.462) 190.758,179.215 ccw(c190.511,179.462) 190.758,179.71 190.575,179.893 cw(c190.822,180.141) 190.575,180.388 cw(c190.822,180.141) 191.07,180.388 191.317,180.141 ccw(c191.565,180.388) 191.812,180.141 ccw(c191.565,180.388) 191.812,180.636 cw(c192.06,180.883) 191.812,181.131 192.806,182.125 193.45,182.768 v1(193.45,187.4)
SDCARD.DAT2: U1.AD23 U38.1 | length 189.3
  L1 Top w0.15: v1(191.9,186.95) 191.9,187.6 192.075,187.775 192.1,187.8 U38.1@192.1,188.05
  L10 Inner9 (Sig) w0.2: v1(152.858,70.518) 152.858,72.351 161.657,81.15 180.364,81.15 185.377,86.162 185.377,178.621 188.238,181.483 188.308,181.553 ccw(c188.135,181.727) 188.308,181.9 188.161,182.048 cw(c188.334,182.221) 188.161,182.394 188.309,182.543 cw(c188.482,182.369) 188.656,182.543 188.803,182.395 ccw(c188.977,182.568) 189.15,182.395 191.252,184.497 191.9,185.145 v1(191.9,186.95)
  L12 Bottom w0.1: v1(124.5,79.5) 124.863,79.137 124.863,77.64 125.953,76.55 128.85,76.55 131.255,74.145 131.255,66.445 134.595,63.105 139.505,63.105 145.805,69.405 150.855,69.405 151.968,70.518 v1(152.858,70.518)
SDCARD.DAT3: U1.AB21 U38.2 | length 193.2
  L1 Top w0.15: v1(192.35,187.4) 192.35,187.481 192.475,187.606 192.475,187.975 U38.2@192.5,188
  L10 Inner9 (Sig) w0.2: v1(153.473,70.042) 153.473,72.259 161.864,80.65 180.572,80.65 185.877,85.955 185.877,177.875 188.451,180.449 191.388,183.387 192.35,184.348 v1(192.35,187.4)
  L12 Bottom w0.1: v1(122.5,81.5) 123.9,80.1 123.9,77.821 125.921,75.8 128.3,75.8 130.336,73.765 130.336,66.064 134.214,62.186 139.886,62.186 146.186,68.486 151.336,68.486 ; 151.341,68.486 151.336,68.486 ; v1(153.473,70.042) 152.892,70.042 151.336,68.486
SDCARD.EN: R343.1 U1.AF23 U40.5 U41.4 | length 200.2
  L1 Top w0.1: U1.AF23@124.5,77.5 124.5,76.825 126.7,74.625 138.757,74.625 144.257,69.125 145.25,69.125 147.725,71.6 v1(150.1,71.6)
  L10 Inner9 (Sig) w0.2: v1(150.1,71.6) 150.1,72.467 160.797,83.163 179.447,83.163 183.368,87.084 183.368,180.622 188.35,185.604 188.35,188.596 189.327,189.573 189.327,195.075 185.9,198.502 v1(185.9,200.05)
  L12 Bottom w0.15: v1(184.9,211.355) 186.448,209.807 186.768,209.807 v1(186.825,209.75) 186.825,204.625 185.9,203.7 v1(185.9,200.05)
SDCARD.Fault: R347.2 TP38.1 U41.5 | length 2.3
  L1 Top w0.15: TP38.1@186.5,198.85 R347.2@187.455,198.85 187.45,198.855 187.45,199.6 187.8,199.95 U41.5@187.8,200.075
SDCARD.MUX-SEL: R336.1 U1.AE23 U39.10 | length 190.1
  L1 Top w0.1: U1.AE23@124.5,78.5 124.358,78.5 123.758,77.9 123.334,77.9 123.1,77.666 123.1,77.066 126.36,73.805 138.417,73.805 143.917,68.305 148.692,68.305 151.274,70.887 v1(151.274,71.613)
  L1 Top w0.15: U39.10@194.95,193.55 195.593,193.55 196.235,192.908 196.235,192.61 196.35,192.495 v1(196.4,192.495)
  L10 Inner9 (Sig) w0.2: v1(151.274,71.613) 151.288,71.626 151.288,72.238 161.221,82.171 179.921,82.171 184.376,86.626 184.376,180.121 189.775,185.519 189.775,188.512 190.064,188.801 191.94,188.801 195.634,192.495 v1(196.4,192.495)
SDCARD.PERX_N: C523.2 D83.1 J19.13 | length 6.3
  L1 Top w0.166: C523.2@196.695,196.65 196.951,196.394 199.079,196.394 199.357,196.671 199.357,197.421 199.797,197.862 200.268,197.862 200.366,197.959 200.366,198.332 200.874,198.84 J19.13@201.174,198.84
SDCARD.PERX_P: C522.2 D83.9 J19.15 | length 6.2
  L1 Top w0.166: C522.2@196.695,195.85 196.946,196.101 199.2,196.101 ; 199.2,196.1 199.65,196.55 199.65,197.3 199.918,197.568 200.268,197.568 200.446,197.391 200.446,197.061 200.917,196.59 J19.15@201.174,196.59